# Altium PCB MiniPC.PcbDoc (part 12 of 23)
Units mm, origin at the board's own origin, x right, y up, seen from the top; angles counter-clockwise.
Board outline 175 x 155 mm, 16 copper layers (1_Top, 2_int1_(gnd), 3_int2_(power), 4_int3_(gnd), 5_int4_(sign), 6_int5_(power), 7_int6_(sign), 8_int7_(power), 9_int8_(gnd), 10_int9_(sign), 11_int10_(gnd), 12_int11_(sign), 13_int12_(gnd), 14_int13_(power), 15_int14_(gnd), 16_Bottom), stack 2.008 mm thick; 1046 components, 841 nets, 6010 pads, 4016 vias.
Unrouted connection lines stored in the file: 602.
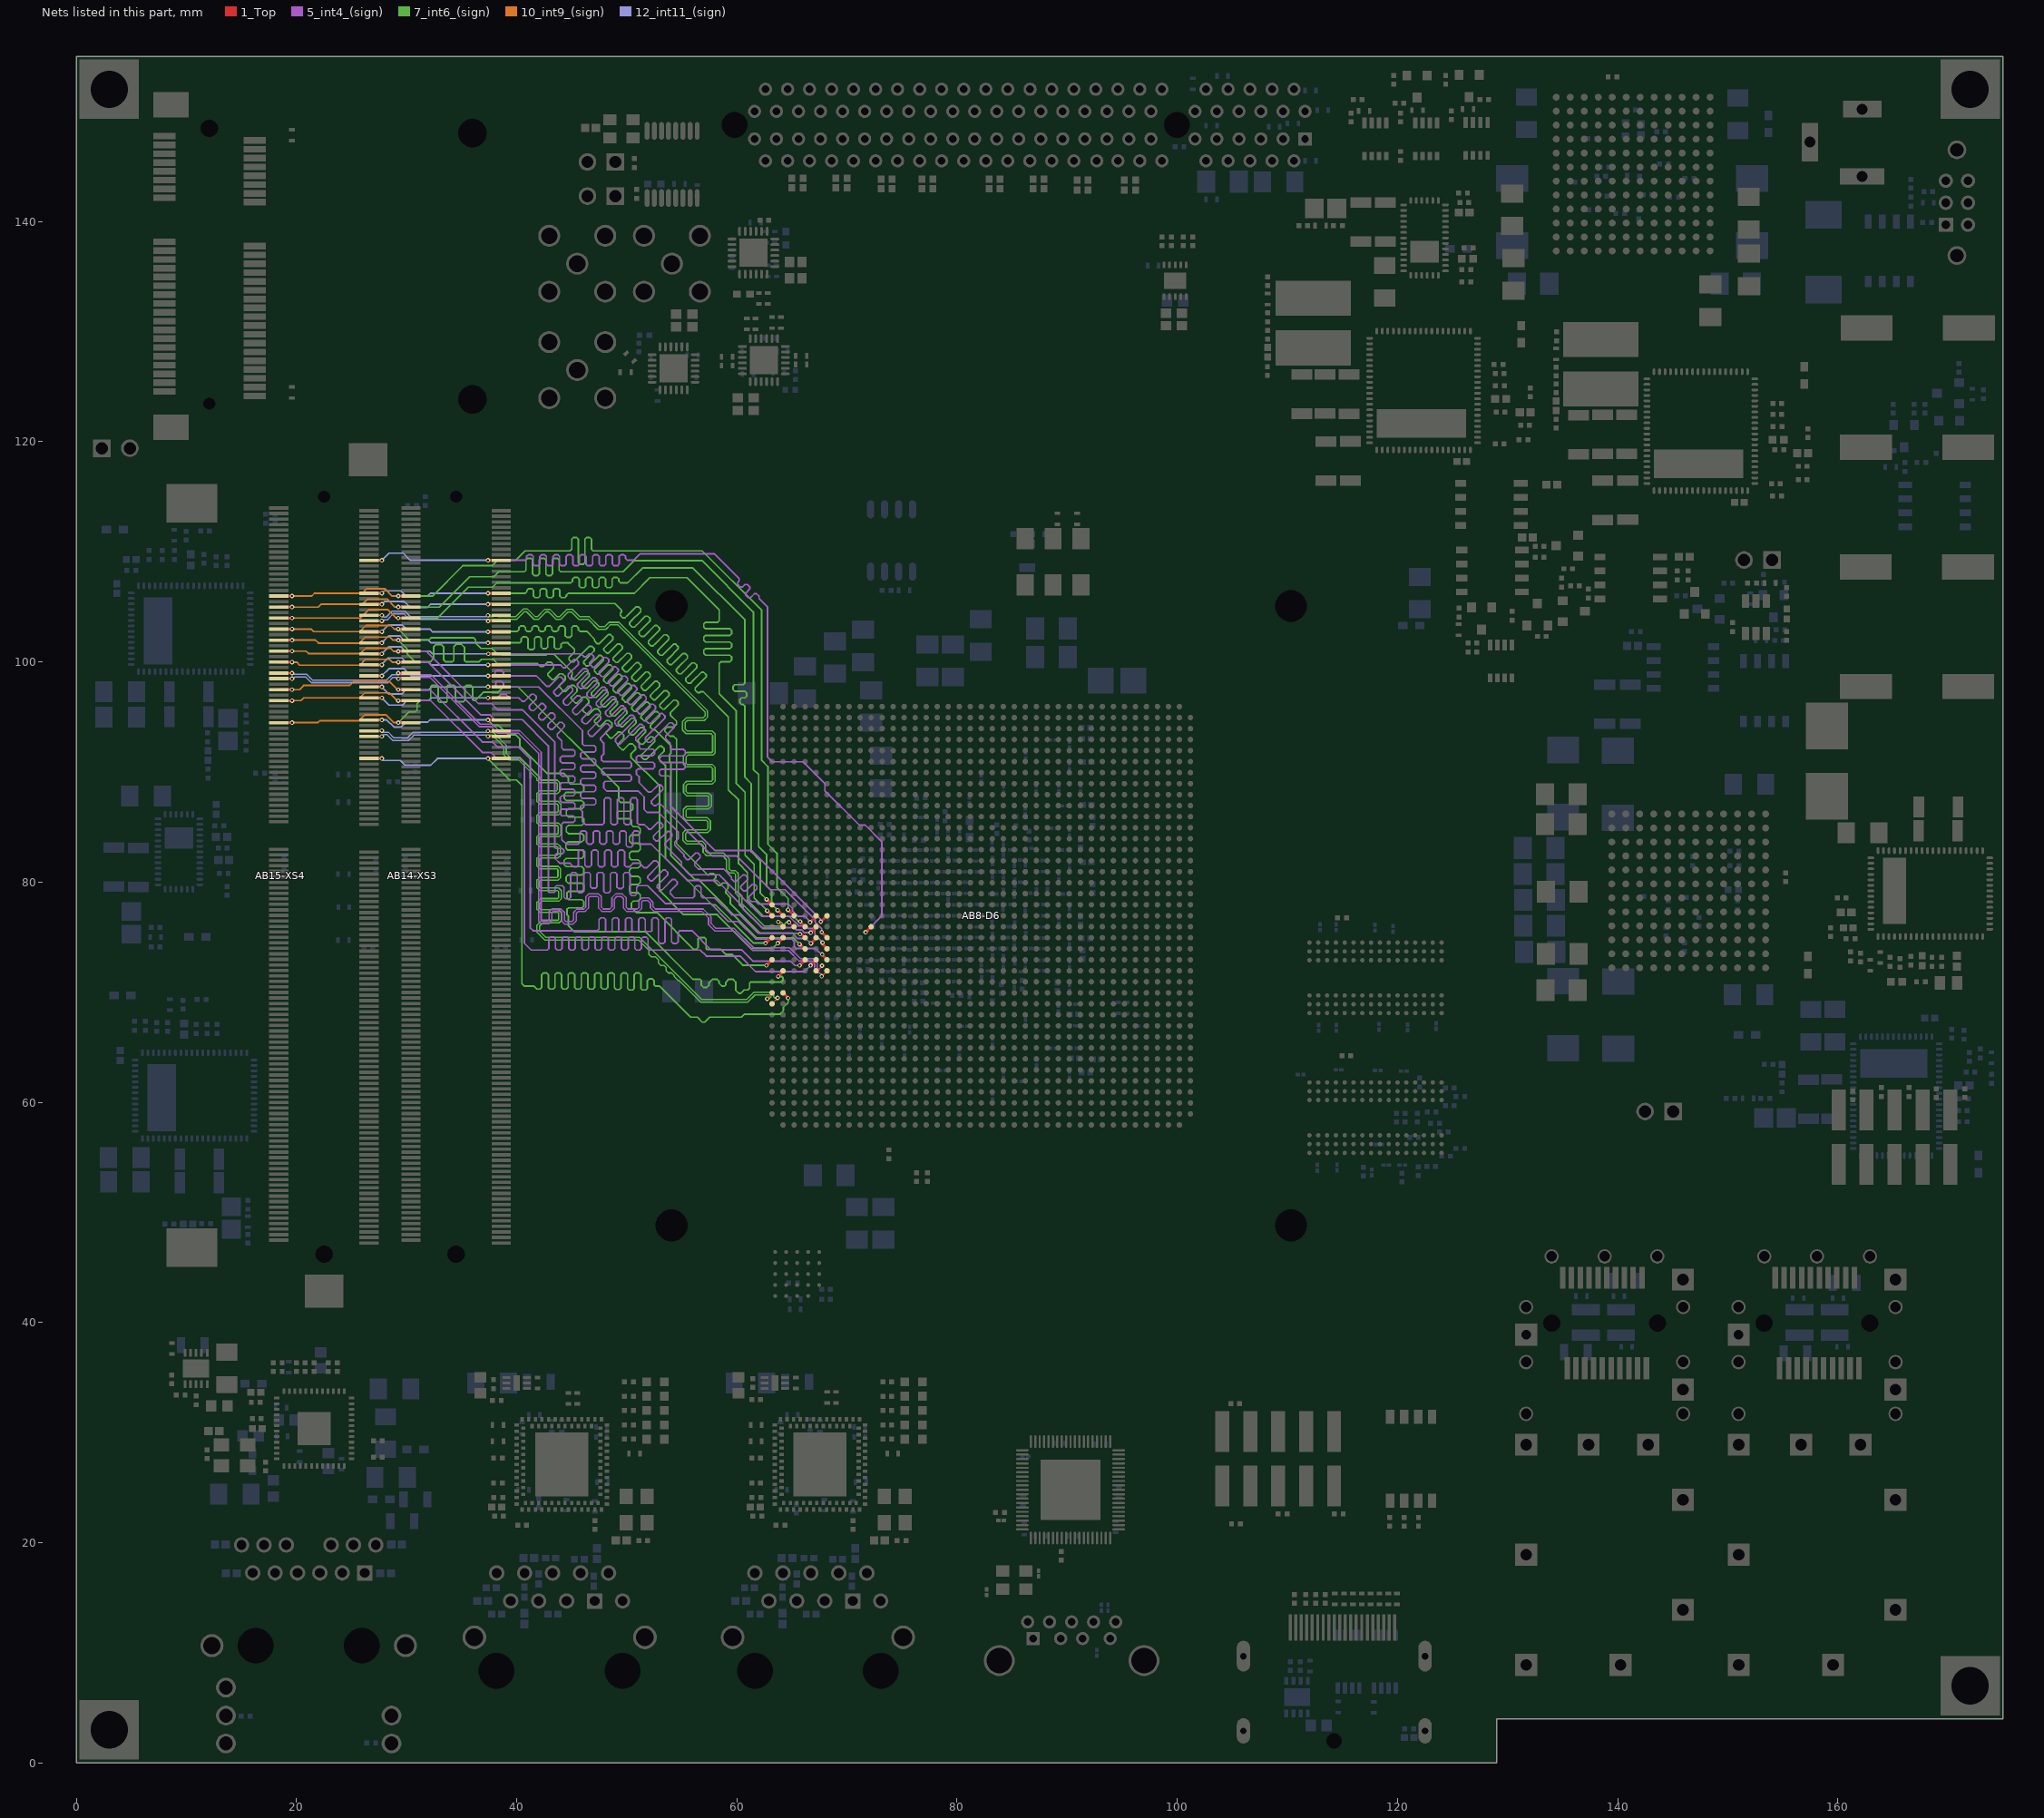
[diagram p26: the nets of this part, all layers, seen from the top]

## Via types
v1: diameter 0.4, hole 0.2, 1_Top to 16_Bottom, tented both sides, 1658 vias
v2: diameter 0.7, hole 0.3, 1_Top to 16_Bottom, tented both sides, 915 vias
v3: diameter 0.5, hole 0.2, 1_Top to 16_Bottom, tented both sides, 854 vias
v4: diameter 0.6, hole 0.2, 1_Top to 16_Bottom, 278 vias
v5: diameter 0.5, hole 0.2, 1_Top to 16_Bottom, 162 vias
v6: diameter 0.4, hole 0.2, 1_Top to 16_Bottom, 100 vias
v7: diameter 0.4/0/0/0/0/0/0/0/0/0/0/0/0/0/0/0.4 (per signal layer), hole 0.2, 1_Top to 16_Bottom, tented both sides, 18 vias
v8: diameter 0.4/0/0/0/0/0/0/0/0/0/0/0.4/0.4/0.4/0.4/0.4 (per signal layer), hole 0.2, 1_Top to 16_Bottom, tented both sides, 16 vias
v9: diameter 0.5, hole 0.254, 1_Top to 16_Bottom, 15 vias

## Nets (pads, with @x,y where several pads share a name; then routed paths per layer and width w, separated by ;. In a path a pad name is that pad's centre, name@x,y a point inside that pad or via, vN(x,y) a via of type N, cw(c..) or ccw(c..) an arc to the next point about the centre after c; other vN are vias at no path point) (continued)
DDR4_BLK1.DL5.DQ37: AB8-D6.AG2 AB14-XS3.169 AB15-XS4.169 | length 84.5
  1_Top w0.25: AB15-XS4.169@26.6,91.225 v1(27.75,91.225) ; v1(37.398,91.225) AB14-XS3.169@38.6,91.225 ; AB8-D6.AG2@64.194,69.939 64.65,69.483 v1(64.65,69.454)
  7_int6_(sign) w0.15: v1(37.398,91.225) 39.348,89.275 39.975,89.275 40.475,88.775 40.475,70.775 40.711,70.539 41.571,70.539 41.825,70.285 42.125,70.285 42.275,70.435 42.275,71.589 42.425,71.739 42.725,71.739 42.875,71.589 42.875,70.435 43.025,70.285 43.325,70.285 43.475,70.435 43.475,71.589 43.625,71.739 43.925,71.739 44.075,71.589 44.075,70.435 44.225,70.285 44.525,70.285 44.675,70.435 44.675,71.589 44.825,71.739 45.125,71.739 45.275,71.589 45.275,70.435 45.425,70.285 45.725,70.285 45.875,70.435 45.875,71.589 46.025,71.739 46.325,71.739 46.475,71.589 46.475,70.435 46.625,70.285 46.925,70.285 47.075,70.435 47.075,71.589 47.225,71.739 47.525,71.739 47.675,71.589 47.675,70.435 47.825,70.285 48.125,70.285 48.275,70.435 48.275,71.589 48.425,71.739 48.725,71.739 48.875,71.589 48.875,70.394 49.025,70.244 49.325,70.244 49.475,70.394 49.475,71.589 49.625,71.739 49.925,71.739 50.075,71.589 50.075,70.341 50.225,70.191 50.525,70.191 50.675,70.341 50.675,71.589 50.825,71.739 51.125,71.739 51.275,71.589 51.275,70.341 51.425,70.191 51.725,70.191 51.875,70.341 51.875,71.054 52.025,71.204 52.325,71.204 52.475,71.054 52.475,70.689 52.625,70.539 52.989,70.539 55.8,67.728 56.4,67.728 56.625,67.503 56.625,67.5 56.85,67.275 57.075,67.275 57.528,67.728 60.429,67.728 60.701,68 63.925,68 64.225,68.3 64.225,68.615 64.65,69.04 v1(64.65,69.454)
  12_int11_(sign) w0.15: v1(27.75,91.225) 27.925,91.05 29.425,91.05 29.875,90.6 32.175,90.6 32.8,91.225 v1(37.398,91.225)
DDR4_BLK1.DL5.DQ38: AB8-D6.AE2 AB14-XS3.183 AB15-XS4.183 | length 84.8
  1_Top w0.25: AB15-XS4.183@26.6,94.725 v1(27.75,94.725) ; v1(37.398,94.725) AB14-XS3.183@38.6,94.725 ; v1(63.75,71.425) 64.194,71.869 AB8-D6.AE2@64.194,71.939
  7_int6_(sign) w0.15: v1(37.398,94.725) 37.898,94.225 38.375,94.225 39.225,93.375 39.9,93.375 40.3,92.975 40.3,92.325 42.75,89.875 44.25,89.875 44.7,89.425 44.7,89.088 44.887,88.9 45.912,88.9 46.1,88.713 46.1,88.338 45.912,88.15 44.511,88.15 44.324,87.963 44.324,87.588 44.511,87.4 45.912,87.4 46.1,87.213 46.1,86.838 45.912,86.65 44.7,86.65 44.515,86.465 44.515,86.085 44.7,85.9 45.912,85.9 46.1,85.713 46.1,85.338 45.912,85.15 44.7,85.15 44.515,84.965 44.515,84.585 44.7,84.4 45.912,84.4 46.1,84.213 46.1,83.838 45.912,83.65 44.652,83.65 44.465,83.463 44.465,83.088 44.652,82.9 45.912,82.9 46.1,82.713 46.1,82.338 45.912,82.15 44.496,82.15 44.309,81.963 44.309,81.588 44.496,81.4 45.912,81.4 46.1,81.213 46.1,80.838 45.912,80.65 44.677,80.65 44.49,80.463 44.49,80.088 44.677,79.9 45.912,79.9 46.1,79.713 46.1,79.338 45.912,79.15 44.7,79.15 44.565,79.015 44.565,78.535 44.7,78.4 45.912,78.4 46.1,78.213 46.1,77.838 45.912,77.65 44.7,77.65 44.565,77.515 44.565,77.035 44.7,76.9 44.7,76.025 45.225,75.5 51.675,75.5 56.006,71.169 56.65,71.169 56.775,71.044 56.775,70.625 56.975,70.425 57.25,70.425 57.475,70.65 57.475,70.869 57.775,71.169 58.2,71.169 58.375,70.994 58.375,70.825 58.65,70.55 58.875,70.55 59,70.675 59,70.902 59.277,71.178 59.629,71.178 59.9,70.907 59.9,70.175 60.175,69.9 60.375,69.9 60.675,70.2 61,70.2 61.15,70.35 61.15,70.825 61.24,70.915 64.065,70.915 64.175,71.025 64.175,71.325 64.075,71.425 v1(63.75,71.425)
  12_int11_(sign) w0.15: v1(27.75,94.725) 28.2,94.725 28.85,94.075 29.525,94.075 29.975,94.525 31.925,94.525 32.125,94.725 v1(37.398,94.725)
DDR4_BLK1.DL5.DQ39: AB8-D6.AD1 AB14-XS3.182 AB15-XS4.182 | length 84.7
  1_Top w0.25: AB15-XS4.182@18.4,94.475 v1(19.602,94.475) ; v1(29.25,94.475) AB14-XS3.182@30.4,94.475 ; v1(62.675,72.425) 62.68,72.425 AB8-D6.AD1@63.194,72.939
  7_int6_(sign) w0.15: v1(29.25,94.475) 30.225,95.45 30.77,95.45 30.95,95.63 30.95,96.2 31.225,96.475 32,96.475 32.2,96.675 32.2,97.75 32.3,97.85 32.75,97.85 32.875,97.725 32.875,96.45 33,96.325 33.6,96.325 33.675,96.4 33.675,97.775 33.75,97.85 34.325,97.85 34.45,97.725 34.45,96.475 34.55,96.375 35.175,96.375 35.3,96.5 35.3,97.75 35.4,97.85 35.85,97.85 36,97.7 36,96.575 36.1,96.475 36.225,96.475 37,97.25 38.325,97.25 38.8,97.725 40.125,97.725 49.275,88.575 49.275,87.4 49.45,87.225 50.325,87.225 50.55,87 50.55,86.625 50.35,86.425 49.2,86.425 49.15,86.375 49.15,85.85 49.25,85.75 50.325,85.75 50.425,85.65 50.425,85.213 50.612,85.025 51.038,85.025 51.225,84.838 51.225,84.463 51.038,84.275 50.418,84.275 50.23,84.088 50.23,83.713 50.418,83.525 51.038,83.525 51.225,83.338 51.225,82.963 51.038,82.775 50.418,82.775 50.23,82.588 50.23,82.213 50.418,82.025 51.038,82.025 51.225,81.838 51.225,81.463 51.038,81.275 50.418,81.275 50.23,81.088 50.23,80.713 50.418,80.525 51.038,80.525 51.225,80.338 51.225,79.963 51.038,79.775 50.418,79.775 50.23,79.588 50.23,79.213 50.418,79.025 51.038,79.025 51.225,78.838 51.225,78.463 51.038,78.275 50.612,78.275 50.425,78.088 50.425,77.675 50.865,77.235 52.74,77.235 56.1,73.875 56.3,73.875 56.475,74.05 56.475,74.85 56.575,74.95 57.075,74.95 57.2,74.825 57.2,73.975 57.3,73.875 58.553,73.875 58.988,73.44 59.531,73.44 60.521,72.45 62.65,72.45 v1(62.675,72.425)
  10_int9_(sign) w0.15: v1(19.602,94.475) 21.925,94.475 22.1,94.65 25.65,94.65 26.175,95.175 28.15,95.175 28.85,94.475 v1(29.25,94.475)
DDR4_BLK1.DL5.DQS4_N: AB8-D6.AG1 AB14-XS3.177 AB15-XS4.177 | length 83.1
  1_Top w0.15: AB15-XS4.177@26.6,93.225 v1(27.75,93.225) ; v1(37.398,93.225) AB14-XS3.177@38.6,93.225 ; v1(62.75,69.4) 63.194,69.844 AB8-D6.AG1@63.194,69.939
  7_int6_(sign) w0.13: v1(37.398,93.225) 37.523,93.35 37.775,93.35 38.81,92.315 38.81,91.576 39.286,91.1 40.161,91.1 41.85,89.411 41.85,89.25 42.09,89.01 43.59,89.01 43.675,88.925 43.675,88.35 43.6,88.275 42.061,88.275 41.85,88.064 41.85,87.311 42.076,87.085 43.665,87.085 43.775,86.975 43.775,86.4 43.7,86.325 42.111,86.325 41.85,86.064 41.85,85.361 42.076,85.135 43.665,85.135 43.775,85.025 43.775,84.4 43.725,84.35 42.061,84.35 41.85,84.139 41.85,83.436 42.076,83.21 43.64,83.21 43.725,83.125 43.725,82.5 43.65,82.425 42.111,82.425 41.85,82.164 41.85,81.436 42.101,81.185 43.665,81.185 43.75,81.1 43.75,80.5 43.675,80.425 42.086,80.425 41.85,80.189 41.85,79.476 42.091,79.235 43.715,79.235 43.825,79.125 43.825,78.6 43.725,78.5 42.175,78.5 41.85,78.175 41.85,77.511 42.101,77.26 43.715,77.26 43.825,77.15 43.825,76.6 43.75,76.525 42.276,76.525 41.85,76.099 41.85,75.436 42.561,74.725 51.086,74.725 52.011,73.8 52.011,73.414 52.207,73.218 52.593,73.218 52.875,72.936 52.875,72.65 53.107,72.418 53.393,72.418 53.58,72.23 53.58,71.945 53.782,71.743 54.068,71.743 54.3,71.511 54.3,71.425 54.645,71.08 54.73,71.08 56.732,69.078 60.968,69.078 61.639,69.75 63.025,69.75 63.1,69.675 63.1,69.575 62.925,69.4 v1(62.75,69.4)
  12_int11_(sign) w0.13: v1(27.75,93.225) 27.9,93.375 28.236,93.375 28.741,92.87 30.195,92.87 30.665,93.34 37.283,93.34 v1(37.398,93.225)
DDR4_BLK1.DL5.DQS4_P: AB8-D6.AH1 AB14-XS3.179 AB15-XS4.179 | length 82.9
  1_Top w0.15: AB15-XS4.179@26.6,93.725 26.625,93.75 v1(27.75,93.75) ; v1(37.398,93.725) AB14-XS3.179@38.6,93.725 ; AB8-D6.AH1@63.194,68.939 63.7,69.445 v1(63.7,69.475)
  7_int6_(sign) w0.13: v1(37.398,93.725) 37.489,93.725 37.624,93.59 37.874,93.59 39.05,92.414 39.05,91.675 39.385,91.34 40.26,91.34 42.09,89.51 42.09,89.349 42.189,89.25 43.689,89.25 43.915,89.024 43.915,88.251 43.699,88.035 42.16,88.035 42.09,87.965 42.09,87.41 42.175,87.325 43.764,87.325 44.015,87.074 44.015,86.301 43.799,86.085 42.21,86.085 42.09,85.965 42.09,85.46 42.175,85.375 43.764,85.375 44.015,85.124 44.015,84.301 43.824,84.11 42.16,84.11 42.09,84.04 42.09,83.535 42.175,83.45 43.739,83.45 43.965,83.224 43.965,82.401 43.749,82.185 42.21,82.185 42.09,82.065 42.09,81.535 42.2,81.425 43.764,81.425 43.99,81.199 43.99,80.401 43.774,80.185 42.185,80.185 42.09,80.09 42.09,79.575 42.19,79.475 43.814,79.475 44.065,79.224 44.065,78.501 43.824,78.26 42.274,78.26 42.09,78.076 42.09,77.61 42.2,77.5 43.814,77.5 44.065,77.249 44.065,76.501 43.849,76.285 42.375,76.285 42.09,76 42.09,75.535 42.66,74.965 51.185,74.965 56.832,69.318 60.868,69.318 61.54,69.99 63.124,69.99 63.34,69.774 63.34,69.575 63.44,69.475 v1(63.7,69.475)
  12_int11_(sign) w0.13: v1(27.75,93.75) 27.885,93.615 28.335,93.615 28.84,93.11 30.096,93.11 30.596,93.61 37.283,93.61 v1(37.398,93.725)
DDR4_BLK1.DL6.DM5: AB8-D6.Y5 AB14-XS3.199 AB15-XS4.199 | length 89.6
  1_Top w0.25: AB15-XS4.199@26.6,98.725 v1(27.75,98.725) ; v1(37.398,98.725) AB14-XS3.199@38.6,98.725 ; v1(66.65,76.35) 67.194,76.894 AB8-D6.Y5@67.194,76.939
  5_int4_(sign) w0.15: v1(37.398,98.725) 37.875,98.725 38.05,98.9 38.05,99.115 38.15,99.215 38.61,99.215 38.8,99.025 38.8,98.825 38.9,98.725 41.792,98.725 42.747,97.77 42.959,97.77 43.808,98.619 44.02,98.619 44.232,98.407 44.232,98.195 43.383,97.346 43.383,97.134 43.596,96.922 43.808,96.922 44.656,97.77 44.868,97.77 45.081,97.558 45.081,97.346 44.232,96.498 44.232,96.285 44.444,96.073 44.656,96.073 45.505,96.922 45.717,96.922 45.929,96.71 45.929,96.498 45.081,95.649 45.081,95.437 45.293,95.225 45.505,95.225 46.353,96.073 46.565,96.073 46.778,95.861 46.778,95.649 45.929,94.801 45.929,94.588 46.141,94.376 46.353,94.376 47.202,95.225 47.414,95.225 47.626,95.013 47.626,94.801 46.672,93.846 46.495,93.669 46.495,93.457 46.707,93.245 46.919,93.245 47.096,93.422 48.05,94.376 48.263,94.376 48.475,94.164 48.475,93.952 47.626,93.104 47.626,92.891 47.9,92.617 47.9,91.607 47.693,91.4 47.693,91.1 47.843,90.95 50.263,90.95 50.413,90.8 50.413,90.5 50.263,90.35 47.88,90.35 47.73,90.2 47.73,89.9 47.88,89.75 50.263,89.75 50.413,89.6 50.413,89.3 50.263,89.15 48.05,89.15 47.9,89 47.9,88.55 48.2,88.25 51.05,88.25 51.575,87.725 51.575,86.6 51.85,86.325 52.875,86.325 54.675,84.525 54.675,83.95 54.35,83.625 54.35,83.325 55.211,82.464 55.211,82.31 55.482,82.039 55.636,82.039 56.237,82.64 56.449,82.64 56.661,82.428 56.661,82.216 56.166,81.721 56.166,81.509 56.5,81.175 57.234,81.175 58.8,81.175 59.511,80.464 59.511,80.285 59.757,80.039 59.936,80.039 60.537,80.64 60.749,80.64 60.961,80.428 60.961,80.216 60.36,79.615 60.36,79.436 60.605,79.191 60.784,79.191 61.385,79.792 61.597,79.792 61.809,79.58 61.809,79.368 61.208,78.767 61.094,78.652 61.094,78.44 61.306,78.228 61.518,78.228 61.527,78.236 61.739,78.236 61.975,78 64.669,78 65.035,77.634 65.035,77.407 65.551,76.891 66.184,76.891 66.65,76.425 v1(66.65,76.35)
  12_int11_(sign) w0.15: v1(27.75,98.725) 28.4,99.375 29.75,99.375 30.4,98.725 v1(37.398,98.725)
DDR4_BLK1.DL6.DQ40: AB8-D6.AC6 AB14-XS3.195 AB15-XS4.195 | length 89.3
  1_Top w0.25: AB15-XS4.195@26.6,97.725 v1(27.75,97.725) ; v1(37.398,97.725) AB14-XS3.195@38.6,97.725 ; v1(67.778,74.504) 67.778,74.355 AB8-D6.AC6@68.194,73.939
  5_int4_(sign) w0.15: v1(37.398,97.725) 37.95,97.725 37.95,97.75 38.1,97.9 38.1,98.165 38.185,98.25 38.6,98.25 38.8,98.05 38.8,97.8 38.875,97.725 42,97.725 45.985,93.74 45.985,92.55 46.135,92.4 47.035,92.4 47.185,92.25 47.185,91.95 47.035,91.8 45.96,91.8 45.81,91.65 45.81,91.35 45.96,91.2 47.035,91.2 47.185,91.05 47.185,90.75 47.035,90.6 45.96,90.6 45.81,90.45 45.81,90.15 45.96,90 47.035,90 47.185,89.85 47.185,89.55 47.035,89.4 45.96,89.4 45.81,89.25 45.81,88.95 45.96,88.8 47.035,88.8 47.185,88.65 47.185,88.35 47.035,88.2 45.96,88.2 45.81,88.05 45.81,87.75 45.96,87.6 47.035,87.6 47.185,87.45 47.185,87.15 47.035,87 45.96,87 45.81,86.85 45.81,86.55 45.985,86.375 45.985,85.49 46.25,85.225 47.8,85.225 47.95,85.375 47.95,87.5 48.1,87.65 48.4,87.65 48.55,87.5 48.55,85.375 48.7,85.225 49,85.225 49.15,85.375 49.15,87.5 49.3,87.65 49.6,87.65 49.75,87.5 49.75,85.375 49.9,85.225 50.2,85.225 50.35,85.375 50.35,87.5 50.5,87.65 50.8,87.65 50.95,87.5 50.95,85.375 51.1,85.225 51.575,85.225 51.994,84.806 52.206,84.806 52.833,85.434 53.045,85.434 53.257,85.222 53.257,85.009 52.524,84.276 52.414,84.166 52.414,83.954 52.626,83.742 52.838,83.742 53.682,84.585 53.894,84.585 54.106,84.373 54.106,84.161 53.478,83.534 53.478,83.322 54.975,81.825 54.975,81.424 55.734,80.665 57.022,80.665 58.41,80.665 61.309,77.766 61.35,77.766 62.225,76.891 64.739,76.891 65.591,76.04 66.228,76.04 66.479,75.788 66.856,75.788 67.088,75.556 67.088,75.212 67.778,74.522 v1(67.778,74.504)
  12_int11_(sign) w0.15: v1(27.75,97.725) 28.4,97.075 29.55,97.075 29.925,97.45 32,97.45 32.275,97.725 v1(37.398,97.725)
DDR4_BLK1.DL6.DQ41: AB8-D6.AD4 AB14-XS3.194 AB15-XS4.194 | length 86.4
  1_Top w0.25: AB15-XS4.194@18.4,97.475 v1(19.602,97.475) ; v1(29.25,97.475) AB14-XS3.194@30.4,97.475 ; v1(65.7,72.425) 66.194,72.919 AB8-D6.AD4@66.194,72.939
  5_int4_(sign) w0.15: v1(29.25,97.475) 29.3,97.425 32.175,97.425 36.875,92.725 37.8,92.725 38.275,92.25 40.2,92.25 41.225,91.225 41.225,75.85 41.49,75.585 47.325,75.585 47.475,75.735 47.475,76.595 47.625,76.745 47.925,76.745 48.075,76.595 48.075,75.585 48.151,75.509 48.599,75.509 48.675,75.585 48.675,76.595 48.825,76.745 49.125,76.745 49.275,76.595 49.275,75.585 49.351,75.509 49.799,75.509 49.875,75.585 49.875,76.595 50.025,76.745 50.325,76.745 50.475,76.595 50.475,75.585 50.551,75.509 50.999,75.509 51.075,75.585 51.075,76.595 51.225,76.745 51.525,76.745 51.675,76.595 51.675,75.585 51.751,75.509 52.199,75.509 52.275,75.585 52.275,76.595 52.425,76.745 52.725,76.745 52.875,76.595 52.875,74.575 53.025,74.425 53.325,74.425 53.475,74.575 53.475,76.595 53.625,76.745 53.925,76.745 54.075,76.595 54.075,74.575 54.225,74.425 54.525,74.425 54.675,74.575 54.675,75.435 54.825,75.585 55.915,75.585 57.665,73.835 60.458,73.835 61.483,72.81 64.884,72.81 65.269,72.425 v1(65.7,72.425)
  10_int9_(sign) w0.15: v1(19.602,97.475) 20.275,97.475 20.65,97.85 24.825,97.85 25.175,98.2 28.45,98.2 29.175,97.475 v1(29.25,97.475)
DDR4_BLK1.DL6.DQ42: AB8-D6.Y6 AB14-XS3.207 AB15-XS4.207 | length 90.8
  1_Top w0.25: AB15-XS4.207@26.6,100.725 v1(27.75,100.725) ; v1(37.425,100.725) AB14-XS3.207@38.6,100.725 ; v1(67.625,76.4) 68.164,76.939 AB8-D6.Y6@68.194,76.939
  5_int4_(sign) w0.15: v1(37.425,100.725) 45.85,100.725 46.106,100.469 46.318,100.469 46.574,100.725 46.786,100.725 46.999,100.513 46.999,100.301 46.636,99.939 46.636,99.765 46.887,99.514 47.061,99.514 47.945,100.398 48.157,100.398 48.369,100.186 48.369,99.974 47.485,99.09 47.485,98.916 47.735,98.666 47.909,98.666 48.793,99.55 49.005,99.55 49.217,99.338 49.217,99.125 48.333,98.242 48.333,98.068 48.584,97.817 48.758,97.817 49.642,98.701 49.854,98.701 50.066,98.489 50.066,98.277 49.182,97.393 49.182,97.219 49.432,96.969 49.606,96.969 50.49,97.853 50.702,97.853 50.914,97.641 50.914,97.428 50.03,96.545 50.03,96.371 50.281,96.12 50.455,96.12 51.339,97.004 51.551,97.004 51.763,96.792 51.763,96.58 50.879,95.696 50.879,95.522 51.129,95.272 51.303,95.272 52.187,96.156 52.399,96.156 52.611,95.943 52.611,95.731 51.728,94.847 51.728,94.674 51.978,94.423 52.152,94.423 53.036,95.307 53.248,95.307 53.46,95.095 53.46,94.883 52.576,93.999 51.692,93.115 51.692,92.903 51.904,92.691 52.116,92.691 53,93.575 53.884,94.459 54.096,94.459 54.308,94.246 54.308,94.034 53.531,93.256 53.531,93.044 53.95,92.625 53.95,92.2 54.1,92.05 55.155,92.05 55.305,91.9 55.305,91.6 55.155,91.45 53.149,91.45 52.999,91.3 52.999,91 53.149,90.85 55.155,90.85 55.305,90.7 55.305,90.4 55.155,90.25 53.113,90.25 52.963,90.1 52.963,89.8 53.113,89.65 53.8,89.65 53.95,89.5 53.95,86.921 57.996,82.875 61.325,82.875 67.625,76.575 v1(67.625,76.4)
  12_int11_(sign) w0.15: v1(27.75,100.725) 28.4,101.375 29.475,101.375 29.875,100.975 32.125,100.975 32.375,100.725 v1(37.425,100.725)
DDR4_BLK1.DL6.DQ43: AB8-D6.AB5 AB14-XS3.208 AB15-XS4.208 | length 89.9
  1_Top w0.25: AB15-XS4.208@18.4,100.975 v1(19.602,100.975) ; v1(29.25,100.95) 29.275,100.975 AB14-XS3.208@30.4,100.975 ; v1(66.725,74.425) 67.194,74.894 AB8-D6.AB5@67.194,74.939
  5_int4_(sign) w0.15: v1(29.25,100.95) 29.275,100.975 31.775,100.975 36.535,96.215 37.71,96.215 38.3,95.625 40.55,95.625 43.45,92.725 43.45,83.15 43.55,83.05 44.15,83.05 44.275,82.925 44.275,82.7 44.15,82.575 43.6,82.575 43.5,82.475 43.5,82.125 43.925,81.7 44.85,81.7 45,81.55 45,81.535 45.15,81.385 45.45,81.385 45.6,81.535 45.6,82.75 45.75,82.9 46.05,82.9 46.2,82.75 46.2,81.535 46.35,81.385 46.65,81.385 46.8,81.535 46.8,82.75 46.95,82.9 47.25,82.9 47.4,82.75 47.4,81.535 47.55,81.385 47.85,81.385 48,81.535 48,82.75 48.15,82.9 48.45,82.9 48.6,82.75 48.6,81.535 48.75,81.385 49.05,81.385 49.2,81.535 49.2,82.75 49.35,82.9 49.65,82.9 49.8,82.75 49.8,81.535 49.95,81.385 50.25,81.385 50.4,81.535 50.4,81.55 50.55,81.7 51.2,81.7 51.606,81.294 51.818,81.294 52.455,81.93 52.667,81.93 52.879,81.718 52.879,81.506 51.915,80.542 51.915,80.33 52.127,80.118 52.339,80.118 53.303,81.082 53.515,81.082 53.727,80.87 53.727,80.658 52.985,79.915 52.777,79.707 52.777,79.495 52.989,79.282 53.201,79.282 53.409,79.491 54.152,80.233 54.364,80.233 54.576,80.021 54.576,79.809 53.94,79.173 53.94,78.96 54.338,78.562 56,78.562 56.15,78.712 56.15,79.495 56.3,79.645 56.6,79.645 56.75,79.495 56.75,78.712 56.9,78.562 57.988,78.562 59.525,77.025 60.25,77.025 61.9,75.375 65.021,75.375 65.521,74.875 66.25,74.875 66.7,74.425 v1(66.725,74.425)
  10_int9_(sign) w0.15: v1(19.602,100.975) 20.875,100.975 21.1,100.75 25.825,100.75 26.325,101.25 28.525,101.25 28.825,100.95 v1(29.25,100.95)
DDR4_BLK1.DL6.DQ44: AB8-D6.AA5 AB14-XS3.191 AB15-XS4.191 | length 89.8
  1_Top w0.25: AB15-XS4.191@26.6,96.725 v1(27.75,96.725) ; v1(37.398,96.725) AB14-XS3.191@38.6,96.725 ; v1(66.7,75.4) 67.194,75.894 AB8-D6.AA5@67.194,75.939
  5_int4_(sign) w0.15: v1(37.398,96.725) 38.25,96.725 38.55,97.025 39.05,97.025 39.35,96.725 40.2,96.725 40.506,96.419 40.718,96.419 41.355,97.055 41.567,97.055 41.779,96.843 41.779,96.631 41.142,95.995 41.142,95.783 41.355,95.57 41.567,95.57 42.203,96.207 42.415,96.207 42.627,95.995 42.627,95.783 41.991,95.146 41.991,94.934 42.203,94.722 42.415,94.722 43.052,95.358 43.264,95.358 43.476,95.146 43.476,94.934 42.84,94.298 42.84,94.085 43.052,93.873 43.264,93.873 43.9,94.51 44.112,94.51 44.324,94.298 44.324,94.085 43.688,93.449 43.688,93.237 44.1,92.825 44.1,92.175 44.25,92.025 45.15,92.025 45.3,91.875 45.3,91.575 45.15,91.425 44.1,91.425 43.96,91.285 43.96,90.965 44.1,90.825 45.15,90.825 45.3,90.675 45.3,90.375 45.15,90.225 44.1,90.225 43.96,90.085 43.96,89.765 44.1,89.625 45.15,89.625 45.3,89.475 45.3,89.175 45.15,89.025 44.1,89.025 43.96,88.885 43.96,88.565 44.1,88.425 45.15,88.425 45.3,88.275 45.3,87.975 45.15,87.825 44.1,87.825 43.96,87.685 43.96,87.365 44.1,87.225 45.15,87.225 45.3,87.075 45.3,86.775 45.15,86.625 44.1,86.625 43.96,86.485 43.96,86.165 44.1,86.025 45.15,86.025 45.3,85.875 45.3,85.575 45.15,85.425 44.25,85.425 44.1,85.275 44.1,83.85 44.5,83.45 45.6,83.45 45.75,83.6 45.75,84.5 45.9,84.65 46.2,84.65 46.35,84.5 46.35,83.6 46.5,83.45 46.8,83.45 46.95,83.6 46.95,84.5 47.1,84.65 47.4,84.65 47.55,84.5 47.55,83.6 47.7,83.45 48,83.45 48.15,83.6 48.15,84.5 48.3,84.65 48.6,84.65 48.75,84.5 48.75,83.6 48.9,83.45 49.2,83.45 49.35,83.6 49.35,84.5 49.5,84.65 49.8,84.65 49.95,84.5 49.95,83.321 50.1,83.171 50.4,83.171 50.55,83.321 50.55,84.5 50.7,84.65 51,84.65 51.15,84.5 51.15,83.6 51.3,83.45 52.196,83.45 55.491,80.155 56.089,80.155 56.811,80.155 58.17,80.155 60.55,77.775 60.55,77.575 62.25,75.875 65.176,75.875 65.381,75.67 65.881,75.67 66.151,75.4 v1(66.7,75.4)